# Altium PCB spd150.PcbDoc (part 3 of 16) (continued)
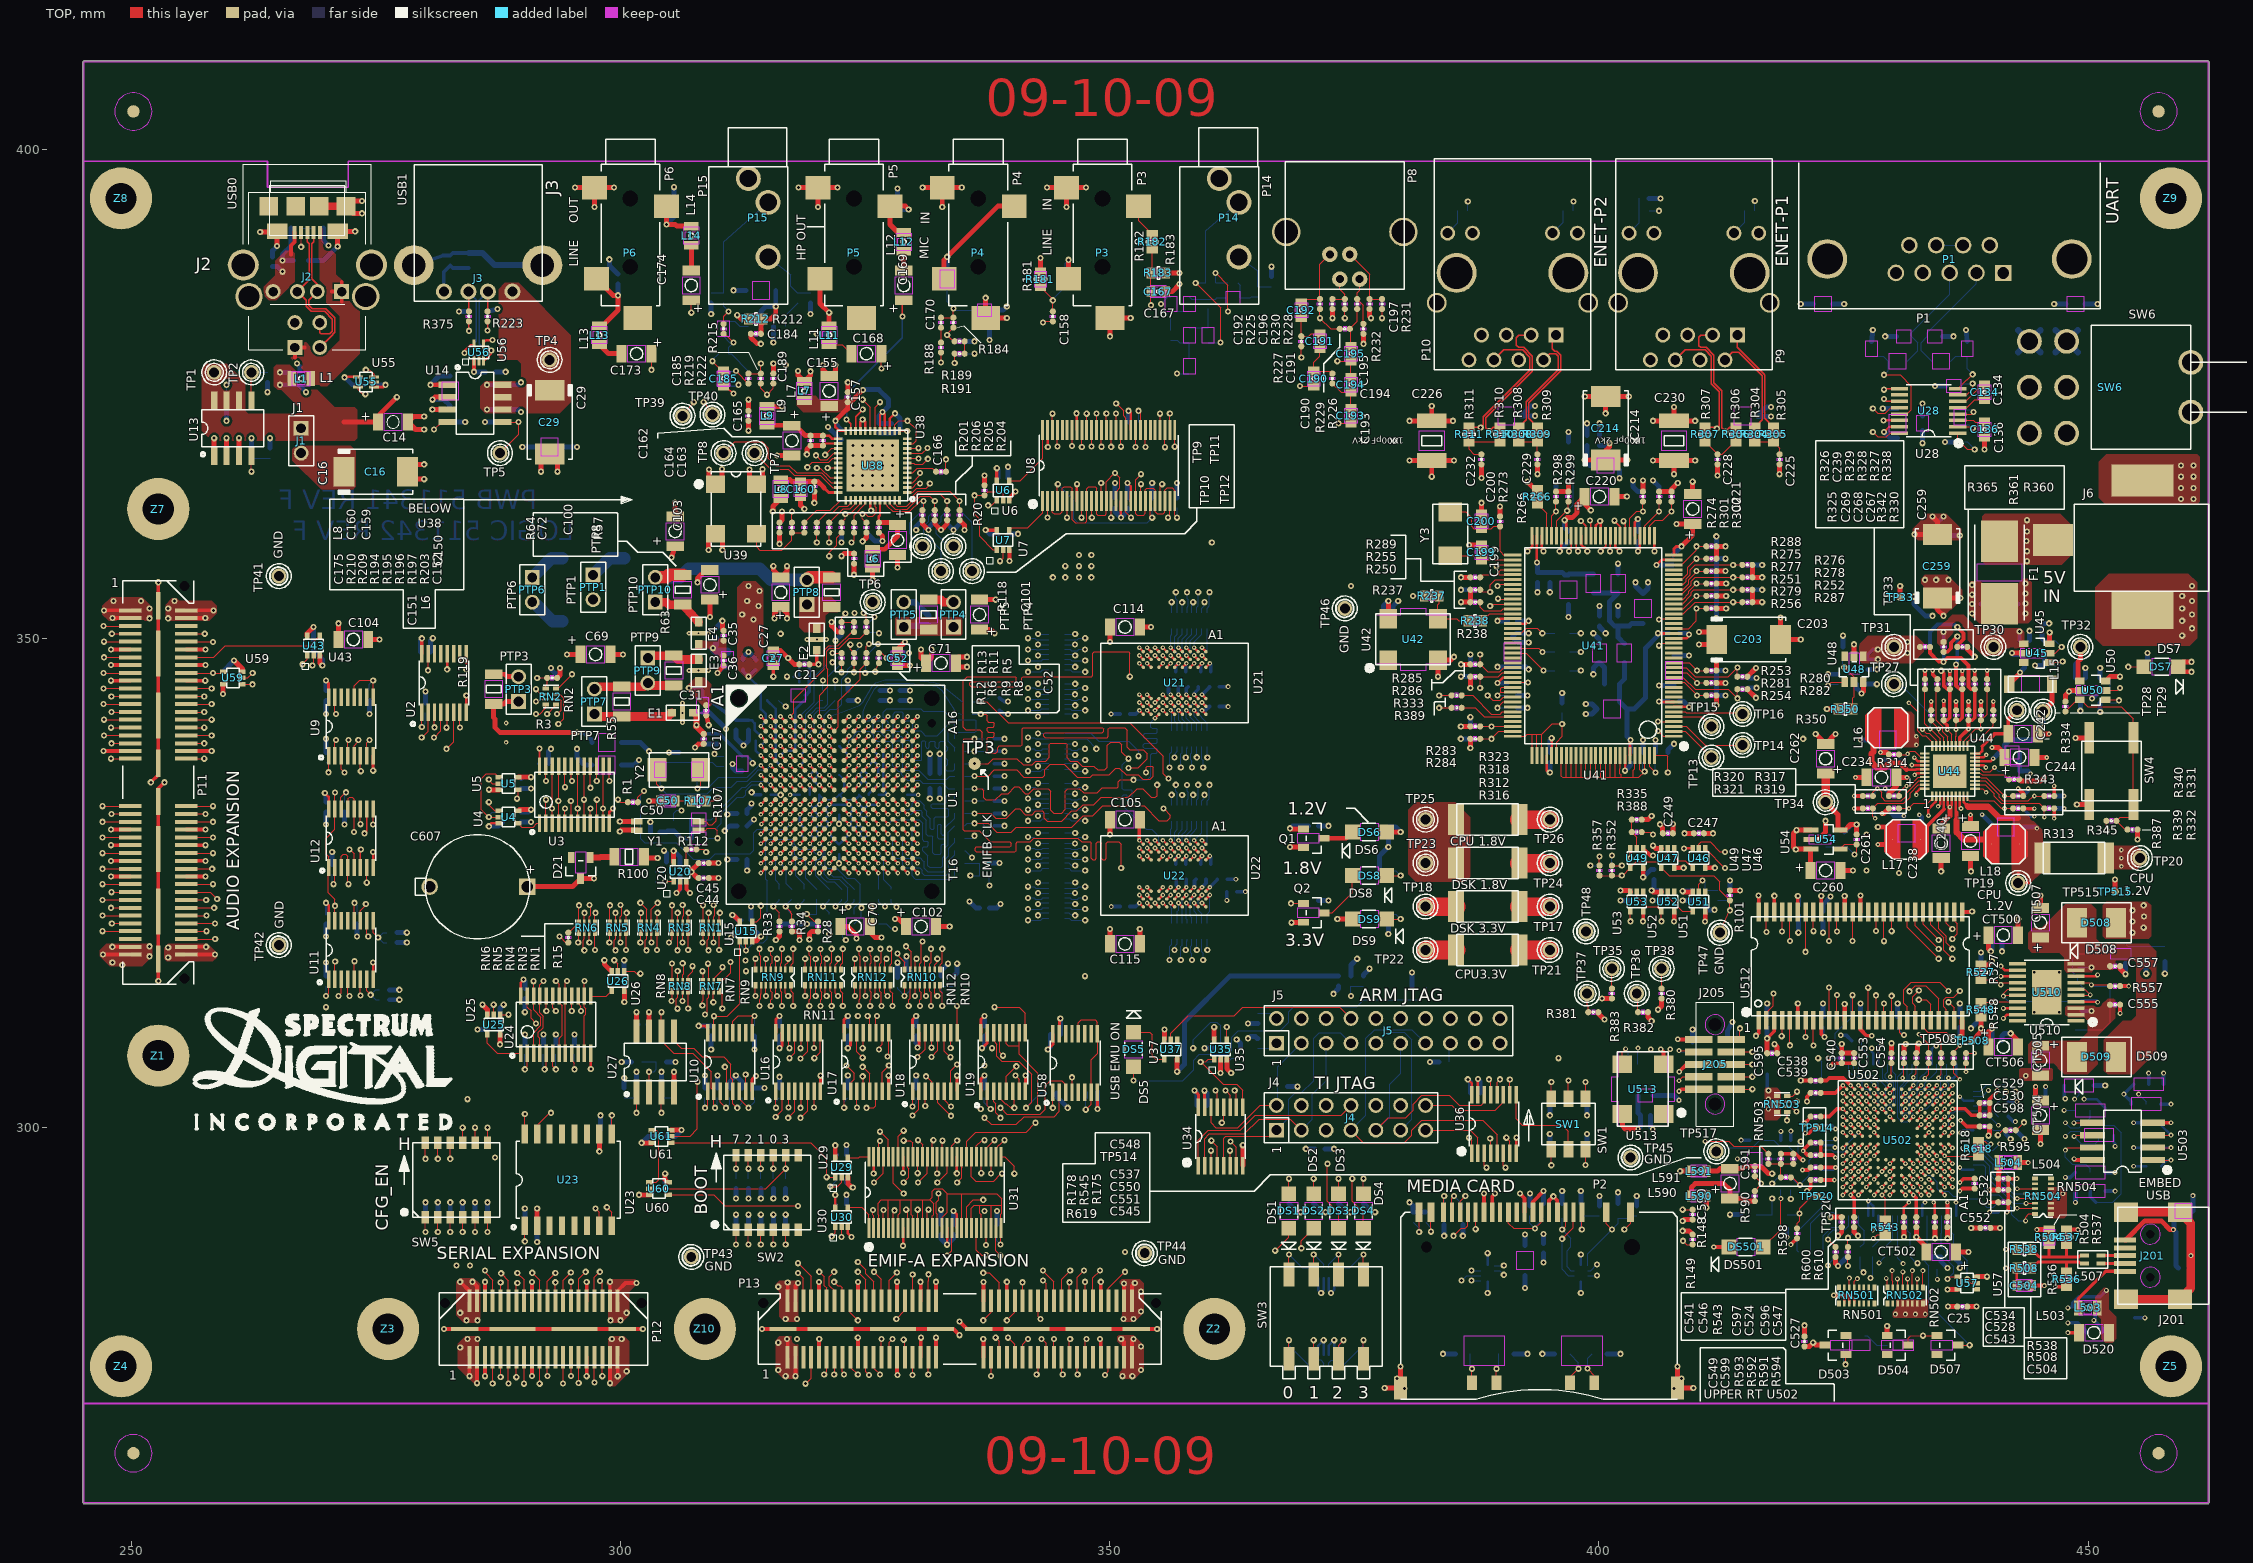
[diagram p0: TOP view]
## Nets (pads, with @x,y where several pads share a name; then routed paths per layer and width w, separated by ;. In a path a pad name is that pad's centre, name@x,y a point inside that pad or via, vN(x,y) a via of type N, cw(c..) or ccw(c..) an arc to the next point about the centre after c; other vN are vias at no path point) (continued)
A10: U502.N4 U512.34 | length 20.8
  TOP w0.127: U512.34@432.321,322.021 432.321,320.637 v1(434.721,318.237)
  TOP w0.254: U502.N4@433.332,303.106 v2(433.73,303.505)
  LYR4-SIG w0.102: v2(433.73,303.505) 434.137,303.911 434.137,304.495 433.934,304.698 433.934,305.537 434.213,305.816 434.213,306.578
  LYR4-SIG w0.127: 434.213,306.578 434.213,307.086 433.984,307.315 433.984,310.683 434.213,310.911 434.213,317.729 v1(434.721,318.237)
A11: U502.M2 U512.22 | length 12.3
  TOP w0.127: U512.22@433.121,310.947 433.121,310.261 433.629,309.753 435.483,309.753 v1(435.991,309.245)
  TOP w0.254: U502.M2@434.932,302.306 v2(435.331,302.704)
  LYR4-SIG w0.102: v2(435.331,302.704) 435.572,302.704 435.978,303.111 436.296,303.111 436.524,303.339 436.524,304.648 436.245,304.927 436.245,305.308 435.737,305.816 435.737,306.578
  LYR4-SIG w0.127: 435.737,306.578 435.737,308.991 v1(435.991,309.245)
A12: U502.P3 U512.35 | length 20.3
  TOP w0.127: U512.35@431.521,322.021 431.521,320.446 v1(434.721,317.246)
  TOP w0.254: U502.P3@434.132,303.906 v2(434.53,304.305)
  LYR4-SIG w0.102: v2(434.53,304.305) 434.53,304.483 434.213,304.8 434.213,305.308 434.95,306.045
  LYR4-SIG w0.127: v1(434.721,317.246) 434.467,316.992 434.467,310.896 434.95,310.413 434.95,306.045
A13: U502.N3 U512.20 | length 20.3
  TOP w0.127: U512.20@431.521,310.947 431.521,312.344 431.165,312.699 431.165,314.071 431.927,314.833 434.848,314.833 v1(435.737,313.944)
  TOP w0.254: U502.N3@434.132,303.106 v2(434.53,303.505)
  LYR4-SIG w0.102: v2(434.53,303.505) 434.937,303.911 434.937,304.47 435.12,304.653 435.12,305.58 435.229,305.689 435.229,306.578
  LYR4-SIG w0.127: 435.229,306.578 435.229,310.515 434.848,310.896 434.848,313.055 v1(435.737,313.944)
A14: U502.L7 U512.21 | length 17.4
  TOP w0.127: U512.21@432.321,310.947 432.321,312.407 432.054,312.674 432.054,313.36 v1(432.689,313.995)
  TOP w0.254: U502.L7@430.931,301.506 v2(431.33,301.904)
  LYR4-SIG w0.102: 430.657,306.578 430.657,305.758 430.403,305.504 430.403,302.832 v2(431.33,301.904)
  LYR4-SIG w0.127: 430.657,306.578 430.657,310.642 431.546,311.531 431.546,312.852 v1(432.689,313.995)
ACLKR0: RN2.1 U1.B4 | length 29.1
  TOP w0.127: v1(292.481,342.265) 293.383,343.167 RN2.1@293.383,343.22
  TOP w0.254: v2(317.325,341.015) U1.B4@317.825,340.515
  LYR3-SIG w0.102: 313.69,341.503 316.837,341.503 v2(317.325,341.015)
  LYR3-SIG w0.127: v1(292.481,342.265) 293.624,343.408 298.323,343.408 301.117,340.614 309.499,340.614 310.388,341.503 313.69,341.503
ACLKR1: RN5.3 U1.L2 | length 26.2
  TOP w0.127: RN5.3@299.471,320.942 v1(299.471,321.94)
  TOP w0.254: v2(315.323,331.008) U1.L2@315.824,331.508
  LYR3-SIG w0.102: 313.69,332.613 314.442,332.613 314.444,332.616 314.612,332.616 314.615,332.613 314.655,332.613 314.93,332.339 314.93,331.401 v2(315.323,331.008)
  LYR3-SIG w0.127: v1(299.471,321.94) 298.836,321.94 298.389,322.387 298.389,323.705 307.424,332.74 311.404,332.74 311.531,332.613 313.69,332.613
ACLKX0: RN2.3 U1.C5 | length 31
  TOP w0.127: RN2.3@293.383,344.292 293.756,344.292 294.157,343.891 294.157,341.782 v1(293.624,341.249)
  TOP w0.254: v2(318.325,340.015) U1.C5@318.826,339.514
  LYR3-SIG w0.102: 313.69,339.852 313.944,339.598 317.627,339.598 318.044,340.015 v2(318.325,340.015)
  LYR3-SIG w0.127: v1(293.624,341.249) 296.037,341.249 298.196,339.09 305.435,339.09 306.07,339.725 311.023,339.725 311.531,340.233 313.309,340.233 313.69,339.852
ACLKX1: RN6.3 U1.K3 | length 32.3
  TOP w0.127: RN6.3@296.296,320.942 v1(296.296,321.94)
  TOP w0.254: v2(316.324,332.008) U1.K3@316.824,332.509
  LYR3-SIG w0.102: 313.69,334.772 314.198,334.264 315.214,334.264 315.849,333.629 315.849,332.483 v2(316.324,332.008)
  LYR3-SIG w0.127: v1(296.296,321.94) 295.407,321.94 295.148,322.199 295.148,323.088 296.799,324.739 297.942,324.739 304.038,330.835 304.038,331.724 305.562,333.248 311.15,333.248 312.801,334.899 313.563,334.899 313.69,334.772
ADVFC: R247.2 R254.1 U41.12 | length 4.8
  TOP w0.127: U41.12@407.645,345.496 408.706,345.496 v1(410.032,344.17) R254.1@410.972,344.17
  BOTTOM w0.127: v1(410.032,344.17) R247.2@410.972,344.17
AFSR0: RN2.2 U1.C4 | length 27.8
  TOP w0.127: RN2.2@293.383,343.794 293.746,343.794 293.903,343.637 293.903,342.671 v1(293.497,342.265)
  TOP w0.254: v2(317.325,340.015) U1.C4@317.825,339.514
  LYR3-SIG w0.102: 313.69,340.474 316.865,340.474 v2(317.325,340.015)
  LYR3-SIG w0.127: v1(293.497,342.265) 295.656,342.265 297.688,340.233 311.023,340.233 311.277,340.487 313.677,340.487 313.69,340.474
AFSR1: RN5.2 U1.L3 | length 24.1
  TOP w0.127: RN5.2@299.969,320.942 299.969,321.559 300.101,321.691 300.101,322.613 v1(299.984,322.73)
  TOP w0.254: v2(316.324,331.008) U1.L3@316.824,331.508
  LYR3-SIG w0.102: 313.69,330.733 313.944,330.733 314.063,330.614 315.488,330.614 315.882,331.008 v2(316.324,331.008)
  LYR3-SIG w0.127: v1(299.984,322.73) 299.984,324.579 306.748,331.343 312.826,331.343 313.436,330.733 313.69,330.733
AFSX0: RN2.4 U1.D5 | length 34.1
  TOP w0.127: RN2.4@293.383,344.866 293.558,344.866 v1(295.021,346.329)
  TOP w0.254: v2(318.325,339.014) U1.D5@318.826,338.513
  LYR3-SIG w0.102: 313.69,342.138 314.071,342.519 319.532,342.519 319.786,342.265 319.786,339.852 319.532,339.598 319.151,339.598 318.567,339.014 v2(318.325,339.014)
  LYR3-SIG w0.127: v1(295.021,346.329) 297.688,346.329 302.133,341.884 313.436,341.884 313.69,342.138
AFSX1: RN6.2 U1.K4 | length 38.5
  TOP w0.127: RN6.2@296.794,320.942 296.794,321.559 296.926,321.691 296.926,322.613 v1(296.809,322.73)
  TOP w0.254: v2(317.325,332.008) U1.K4@317.825,332.509
  LYR3-SIG w0.102: 313.69,335.534 316.484,335.534 316.865,335.153 316.865,332.468 v2(317.325,332.008)
  LYR3-SIG w0.127: v1(296.809,322.73) 296.809,321.701 296.418,321.31 295.275,321.31 294.64,321.945 294.64,323.596 304.546,333.502 308.864,333.502 309.626,334.264 311.023,334.264 312.293,335.534 313.69,335.534
AHCLKR1: RN5.4 U1.L1 | length 24.6
  TOP w0.127: RN5.4@298.897,320.942 v1(298.897,322.707)
  TOP w0.254: v2(314.373,331.008) 314.373,331.059 U1.L1@314.823,331.508
  LYR3-SIG w0.102: 313.69,332.232 313.868,332.41 314.528,332.41 314.726,332.212 314.726,331.363 314.373,331.01 v2(314.373,331.008)
  LYR3-SIG w0.127: v1(298.897,322.707) 298.897,323.853 307.53,332.486 311.277,332.486 311.531,332.232 313.69,332.232
AHCLKR2: P11.40 U19.5 | length 102.4
  TOP w0.127: P11.40@255.6,337.693 v1(257.429,337.693) ; U19.5@339.415,303.718 339.415,305.227 v1(340.436,306.248)
  LYR3-SIG w0.127: v1(257.429,337.693) 266.7,337.693 268.732,335.661 275.209,335.661 293.624,317.246 297.434,317.246 299.715,314.965 303.121,314.965 303.126,314.96 311.005,314.96 311.01,314.965 334.343,314.965 340.436,308.872 v1(340.436,306.248)
AHCLKX1: R15.2 RN6.4 U1.K2 | length 29.9
  TOP w0.127: R15.2@294.64,319.913 294.693,319.913 RN6.4@295.722,320.942 v1(295.722,322.707)
  TOP w0.254: v2(315.323,332.008) U1.K2@315.824,332.509
  LYR3-SIG w0.102: 313.69,333.756 314.579,333.756 314.833,333.502 314.833,332.867 315.323,332.377 v2(315.323,332.008)
  LYR3-SIG w0.127: v1(295.722,322.707) 296.484,323.469 297.18,323.469 305.138,331.427 305.138,332.146 305.986,332.994 311.912,332.994 312.674,333.756 313.69,333.756
AIC3106_RESETN: R352.1 U38.33 | length 109.1
  TOP w0.127: v1(320.04,367.411) 320.421,367.411 321.417,366.415 U38.33@322.224,366.415 ; R352.1@401.32,326.771 v1(402.336,326.771)
  LYR3-SIG w0.127: v1(320.04,367.411) 323.088,364.363 328.168,364.363 329.438,363.093 340.106,363.093 344.551,367.538 356.108,367.538 357.886,365.76 357.886,364.368 387.101,335.153 397.129,335.153 402.336,329.946 v1(402.336,326.771)
AIC_BCLK: R194.2 U38.38 | length 4.6
  TOP w0.127: R194.2@320.04,361.823 321.056,362.839 321.691,362.839 322.364,363.512 323.228,363.512 323.505,363.789 U38.38@323.505,364.134
AIC_DIN: R196.2 R202.1 U38.40 | length 4.5
  TOP w0.127: R196.2@322.58,361.823 322.961,362.204 v1(322.961,362.712) 323.469,362.712 324.505,363.748 U38.40@324.505,364.134
  BOTTOM w0.127: R202.1@322.58,361.823 322.961,362.204 v1(322.961,362.712)
AIC_DOUT: R197.2 U38.41 | length 2.8
  TOP w0.127: R197.2@323.85,361.823 323.85,362.585 325.006,363.741 U38.41@325.006,364.134
AIC_WCLK: R195.2 U38.39 | length 3.9
  TOP w0.127: R195.2@321.31,361.823 322.745,363.258 323.472,363.258 324.005,363.791 U38.39@324.005,364.134
ALT_3V3: C246.1 C247.1 C249.1 C250.1 C251.1 C253.1 C255.1 C256.1 C257.1 L15.1 R325.1 R326.1 R327.1 R328.1 R329.1 R335.1 R346.2 R349.2 R353.2 U45.6 U46.5 U47.5 U48.6 U49.5 U50.6 U51.5 U52.5 U53.5 | length 29.7
  TOP w0.381: v1(404.51,321.071) U53.5@404.51,322.097 ; R326.1@433.324,345.821 v2(433.324,346.71) ; R325.1@433.959,342.646 v2(433.959,343.535) ; R329.1@435.864,345.821 v2(435.864,346.685) ; R328.1@437.134,345.821 v2(437.134,346.685) ; R327.1@438.404,345.821 v2(438.404,346.71)
  TOP w0.457: U49.5@404.51,326.542 404.51,325.587 v1(404.52,325.577) ; v1(407.67,321.056) 407.685,321.071 U52.5@407.685,322.097 ; U47.5@407.685,326.542 v1(408.661,326.542) ; v1(410.845,321.056) 410.86,321.071 U51.5@410.86,322.097 ; U46.5@410.86,326.542 v1(411.836,326.542)
  TOP w0.508: R335.1@404.368,331.47 405.003,331.47 v1(405.384,331.851) ; C249.1@407.543,330.073 v1(407.543,331.013) ; C247.1@410.718,330.073 v1(411.658,330.073) ; v1(426.847,344.373) 427.025,344.551 U48.6@427.025,345.531 ; L15.1@441.935,345.313 443.027,346.405 v1(443.027,346.507) ; U45.6@446.075,349.438 v1(446.075,350.596) ; U50.6@451.79,345.628 452.237,346.075 v1(453.263,346.075)
  BOTTOM w0.508: v1(402.209,323.215) C255.1@403.225,323.215 ; v1(404.52,325.577) 405.333,326.39 C251.1@405.638,326.39 ; v1(405.46,323.215) C257.1@406.4,323.215 ; v1(408.559,323.215) C256.1@409.575,323.215 ; C250.1@426.339,345.313 426.339,344.881 v1(426.847,344.373) ; R349.2@427.482,346.837 v1(428.422,346.837) ; v1(443.027,346.507) 443.484,346.964 C246.1@443.484,347.345 ; R346.2@443.992,349.758 v1(443.992,350.774) ; v1(449.199,342.595) C253.1@449.199,343.535 ; R353.2@449.707,345.948 v1(449.707,346.964)
ALT_CPU_1V2: C261.1 C262.1 PTP3.2 PTP4.2 R118.2 R119.1 R372.1 TP34.1 U54.5 | length 31.8
  TOP w0.508: R119.1@287.02,346.329 288.163,346.329 288.417,346.075 PTP3.2@289.56,346.075 ; TP34.1@423.164,333.248 424.434,331.978 424.434,330.617 U54.5@424.663,330.388 425.13,330.388 425.704,330.962 v1(426.339,330.962) C261.1@426.339,329.946
  TOP w0.889: R118.2@331.47,353.949 332.74,353.949 332.994,353.695 PTP4.2@334.01,353.695 ; TP34.1@423.164,333.248 C262.1@423.164,336.169
  LYR4-SIG w0.889: v1(420.878,339.725) 420.878,335.534 TP34.1@423.164,333.248
  LYR7-SIG w0.635: 288.544,346.075 PTP3.2@289.56,346.075 ; 289.56,345.059 PTP3.2@289.56,346.075 ; 289.56,347.091 PTP3.2@289.56,346.075 ; 290.576,346.075 PTP3.2@289.56,346.075 ; 332.994,353.695 PTP4.2@334.01,353.695 ; 334.01,352.679 PTP4.2@334.01,353.695 ; 334.01,354.711 PTP4.2@334.01,353.695 ; 335.026,353.695 PTP4.2@334.01,353.695
  BOTTOM w0.508: R372.1@425.069,330.2 425.831,330.962 v1(426.339,330.962)
AMUTE0: R1.2 U1.L4 | length 25.8
  TOP w0.127: R1.2@301.752,333.248 301.752,333.756 v1(302.387,334.391)
  TOP w0.254: v2(317.325,331.008) U1.L4@317.825,331.508
  BOTTOM w0.102: 313.69,330.225 313.964,330.5 316.817,330.5 v2(317.325,331.008)
  BOTTOM w0.127: v1(302.387,334.391) 302.052,334.056 302.052,329.527 302.468,329.11 305.686,329.11 307.396,327.401 309.1,327.401 309.677,327.977 313.23,327.977 313.586,328.333 313.586,330.121 313.69,330.225
AMUTE1: RN6.1 U1.D4 | length 45.4
  TOP w0.127: RN6.1@297.368,320.942 297.368,321.879 v1(297.434,321.945)
  TOP w0.254: v2(317.325,339.014) U1.D4@317.825,338.513
  LYR3-SIG w0.102: 313.69,336.677 313.944,336.677 314.002,336.619 316.553,336.619 316.865,336.931 316.865,338.582 317.297,339.014 v2(317.325,339.014)
  LYR3-SIG w0.127: v1(297.434,321.945) 297.434,321.437 294.894,318.897 293.624,318.897 293.243,319.278 293.243,325.374 300.355,332.486 300.355,334.01 302.641,336.296 311.658,336.296 312.039,336.677 313.69,336.677
ARM_RSTN: J5.15 R179.1 U46.1 | length 48.1
  TOP w0.127: U46.1@410.86,328.524 410.87,328.524 v1(412.877,326.517)
  LYR7-SIG w0.127: J5.15@384.81,308.61 386.207,310.007 398.018,310.007 402.844,314.833 410.464,314.833 415.29,319.659 415.29,324.739 413.512,326.517 v1(412.877,326.517)
  BOTTOM w0.127: R179.1@384.683,306.705 384.683,308.483 J5.15@384.81,308.61
AXR0_9: R30.2 U9.4 | length 60.9
  TOP w0.127: U9.4@272.09,338.008 272.09,339.527 v1(272.161,339.598)
  LYR3-SIG w0.127: v1(272.161,339.598) 272.796,338.963 275.463,338.963 284.226,347.726 297.815,347.726 298.577,346.964 303.911,346.964 306.959,350.012 309.88,350.012 310.515,349.377 317.627,349.377 319.405,347.599 319.405,346.202 320.421,345.186 321.437,345.186 v1(321.945,345.694)
  BOTTOM w0.127: R30.2@321.945,344.678 v1(321.945,345.694)
AXR0_10: R29.2 U9.7 | length 57.9
  TOP w0.127: U9.7@274.041,338.008 274.041,339.319 v1(274.32,339.598)
  LYR3-SIG w0.127: v1(274.32,339.598) 281.178,346.456 281.178,347.218 283.21,349.25 304.546,349.25 306.324,351.028 309.372,351.028 310.642,349.758 317.881,349.758 318.389,349.25 319.405,349.25 320.802,347.853 320.802,346.837 320.675,346.71 v1(320.675,345.694)
  BOTTOM w0.127: R29.2@320.675,344.678 v1(320.675,345.694)
AXR1[0]: RN1.4 U1.T3 | length 14.1
  TOP w0.127: RN1.4@308.422,320.942 v1(308.422,322.707)
  TOP w0.254: v2(316.324,326.004) U1.T3@316.824,326.504
  LYR3-SIG w0.102: 315.821,325.501 v2(316.324,326.004)
  LYR3-SIG w0.127: v1(308.422,322.707) 308.422,321.795 309.288,320.929 310.566,320.929 310.845,321.208 311.81,321.208 312.42,321.818 312.42,322.453 314.833,324.866 315.186,324.866 315.821,325.501
AXR1[1]: RN1.3 U1.R2 | length 13.5
  TOP w0.127: RN1.3@308.996,320.942 v1(308.996,321.94)
  TOP w0.254: v2(315.323,327.005) U1.R2@315.824,327.505
  LYR3-SIG w0.102: 314.579,325.501 314.833,325.755 314.833,326.136 315.323,326.626 v2(315.323,327.005)
  LYR3-SIG w0.127: v1(308.996,321.94) 309.753,321.183 310.452,321.183 310.896,321.627 310.896,323.215 310.642,323.469 310.642,324.648 311.513,325.519 312.55,325.519 312.567,325.501 312.669,325.501 312.796,325.374 314.452,325.374 314.579,325.501
AXR1[2]: RN1.2 U1.P2 | length 15
  TOP w0.127: RN1.2@309.494,320.942 309.494,321.559 309.626,321.691 309.626,322.613 v1(309.509,322.73)
  TOP w0.254: v2(315.323,328.005) U1.P2@315.824,328.506
  LYR3-SIG w0.102: 313.69,326.072 314.135,326.517 314.394,326.517 314.833,326.956 314.833,327.515 v2(315.323,328.005)
  LYR3-SIG w0.127: v1(309.509,322.73) 309.509,321.851 309.923,321.437 310.345,321.437 310.642,321.734 310.642,323.088 310.261,323.469 310.261,324.739 311.531,326.009 312.42,326.009 312.674,325.755 313.373,325.755 313.69,326.072
AXR1[3]: RN1.1 U1.P1 | length 12
  TOP w0.127: RN1.1@310.068,320.942 310.068,321.879 v1(310.134,321.945)
  TOP w0.254: v2(314.322,328.005) U1.P1@314.823,328.506
  LYR3-SIG w0.102: 313.69,327.279 314.322,327.911 v2(314.322,328.005)
  LYR3-SIG w0.127: v1(310.134,321.945) 310.134,322.961 309.118,323.977 309.118,325.501 309.626,326.009 311.15,326.009 311.912,326.771 313.182,326.771 313.69,327.279
AXR1[4]: RN3.4 U1.N2 | length 19.1
  TOP w0.127: RN3.4@305.247,320.942 v1(305.247,322.707)
  TOP w0.254: v2(315.323,329.006) U1.N2@315.824,329.507
  LYR3-SIG w0.102: 313.69,328.32 313.982,328.613 314.93,328.613 v2(315.323,329.006)
  LYR3-SIG w0.127: v1(305.247,322.707) 305.247,321.795 305.859,321.183 307.276,321.183 307.721,321.627 307.721,322.262 307.66,322.323 307.66,323.068 308.483,323.891 308.483,325.806 309.194,326.517 310.769,326.517 311.594,327.342 312.864,327.342 313.665,328.143 313.665,328.295 313.69,328.32
AXR1[5]: RN3.3 U1.N1 | length 16.1
  TOP w0.127: RN3.3@305.821,320.942 v1(305.821,321.94)
  TOP w0.254: v2(314.322,329.006) U1.N1@314.823,329.507
  LYR3-SIG w0.102: 313.69,328.701 313.995,329.006 v2(314.322,329.006)
  LYR3-SIG w0.127: v1(305.821,321.94) 306.324,321.437 307.17,321.437 307.467,321.734 307.467,322.156 307.406,322.217 307.406,323.174 308.102,323.87 308.102,326.009 310.208,328.115 310.97,328.115 311.412,327.673 312.661,327.673 313.69,328.701
AXR1[6]: RN3.2 U1.M4 | length 19.9
  TOP w0.127: RN3.2@306.319,320.942 306.319,321.559 306.451,321.691 306.451,322.613 v1(306.334,322.73)
  TOP w0.254: v2(317.325,330.007) U1.M4@317.825,330.507
  LYR3-SIG w0.102: 313.69,329.613 315.488,329.613 315.717,329.842 315.717,329.959 316.159,330.401 316.931,330.401 v2(317.325,330.007)
  LYR3-SIG w0.127: v1(306.334,322.73) 306.334,326.527 308.673,328.866 309.943,328.866 311.531,330.454 312.572,330.454 313.413,329.613 313.69,329.613
AXR1[7]: RN3.1 U1.M3 | length 16.8
  TOP w0.127: RN3.1@306.893,320.942 306.893,321.879 v1(306.959,321.945)
  TOP w0.254: v2(316.324,330.007) U1.M3@316.824,330.507
  LYR3-SIG w0.102: 313.69,329.128 313.972,329.41 315.727,329.41 v2(316.324,330.007)
  LYR3-SIG w0.127: v1(306.959,321.945) 306.959,323.088 307.721,323.85 307.721,326.136 310.007,328.422 311.023,328.422 311.424,328.021 312.583,328.021 313.69,329.128
AXR1[8]: RN4.4 U1.M2 | length 20.9
  TOP w0.127: RN4.4@302.072,320.942 v1(302.072,321.945)
  TOP w0.254: v2(315.323,330.007) U1.M2@315.824,330.507
  LYR3-SIG w0.102: 313.69,330.411 314.919,330.411 v2(315.323,330.007)
  LYR3-SIG w0.127: v1(302.072,321.945) 301.498,322.519 301.498,323.469 309.118,331.089 312.699,331.089 313.378,330.411 313.69,330.411
AXR1[9]: RN4.3 U1.M1 | length 19.1
  TOP w0.127: v1(302.006,322.961) 302.646,322.321 RN4.3@302.646,320.942
  TOP w0.254: v2(314.322,330.007) U1.M1@314.823,330.507
  LYR3-SIG w0.102: 313.69,330.007 v2(314.322,330.007)
  LYR3-SIG w0.127: v1(302.006,322.961) 302.009,322.964 302.009,323.352 309.491,330.835 312.572,330.835 313.4,330.007 313.69,330.007
AXR1[10]: RN4.2 U1.N3 | length 21.9
  TOP w0.127: RN4.2@303.144,320.942 303.144,322.321 v1(303.784,322.961)
  TOP w0.254: v2(316.324,329.006) U1.N3@316.824,329.507
  LYR3-SIG w0.102: 313.69,327.787 313.919,328.016 313.919,328.168 314.16,328.409 315.727,328.409 v2(316.324,329.006)
  LYR3-SIG w0.127: v1(303.784,322.961) 304.863,321.881 304.863,321.818 305.752,320.929 307.383,320.929 307.975,321.521 307.975,322.369 307.914,322.43 307.914,322.918 308.755,323.759 308.755,325.717 309.301,326.263 310.896,326.263 311.721,327.089 312.991,327.089 313.69,327.787
AXR1[11]: RN4.1 U1.T4 | length 18.6
  TOP w0.127: RN4.1@303.718,320.942 303.718,321.879 v1(303.784,321.945)
  TOP w0.254: v2(317.325,326.004) U1.T4@317.825,326.504
  LYR3-SIG w0.102: 316.822,325.501 v2(317.325,326.004)
  LYR3-SIG w0.127: v1(303.784,321.945) 305.054,320.675 310.693,320.675 310.972,320.954 312.699,320.954 313.817,322.072 313.817,323.088 314.325,323.596 314.917,323.596 316.822,325.501
B_RMII_CRS_DV: R241.1 U8.43 | length 64
  TOP w0.127: U8.43@349.636,371.297 v1(349.636,372.994)
  LYR3-SIG w0.127: v1(349.636,372.994) 349.636,373.893 350.266,374.523 369.824,374.523 383.667,360.68 388.747,360.68 392.43,356.997 394.335,356.997 398.145,353.187 v1(398.145,350.52)
  BOTTOM w0.127: R241.1@397.002,350.52 v1(398.145,350.52)
B_RMII_MDIO_CLK: U8.30 U41.94 | length 58.4
  TOP w0.127: U8.30@356.133,371.297 v1(356.133,372.974) ; v1(388.62,344.17) 389.128,343.662 389.89,343.662 390.223,343.995 U41.94@391.185,343.995
  LYR3-SIG w0.127: v1(356.133,372.974) 357.124,371.983 368.554,371.983 383.413,357.124 385.953,357.124 386.969,356.108 389.89,356.108 390.652,355.346 390.652,349.611 388.62,347.579 v1(388.62,344.17)
B_RMII_MDIO_D: R236.2 U8.32 U41.95 | length 62
  TOP w0.127: U8.32@355.133,371.297 v1(355.133,372.958) ; v1(389.636,342.9) 390.23,343.494 U41.95@391.185,343.494
  LYR3-SIG w0.127: v1(355.133,372.958) 355.808,373.634 356.87,373.634 357.53,372.974 369.214,372.974 383.794,358.394 386.588,358.394 388.112,356.87 390.144,356.87 391.541,355.473 391.541,344.805 v1(389.636,342.9)
  BOTTOM w0.127: v1(389.636,342.9) R236.2@390.652,342.9
B_RMII_MHZ_50: R237.1 U8.54 | length 47.4
  TOP w0.127: U8.54@344.137,371.297 v1(344.137,372.966) ; v1(381,354.33) R237.1@382.143,354.33
  LYR3-SIG w0.127: v1(344.137,372.966) 344.203,372.966 346.964,370.205 365.125,370.205 v1(381,354.33)
B_RMII_RXD[0]: R242.1 U8.41 | length 63.7
  TOP w0.127: U8.41@350.634,371.297 v1(350.634,372.986)
  LYR3-SIG w0.127: v1(350.634,372.986) 351.536,373.888 369.189,373.888 384.175,358.902 388.874,358.902 392.684,355.092 392.684,354.838 394.868,352.654 394.868,349.987 v1(398.145,346.71)
  BOTTOM w0.127: R242.1@397.002,346.71 v1(398.145,346.71)
B_RMII_RXD[1]: R243.1 U8.39 | length 64.6
  TOP w0.127: v1(350.647,374.015) 351.409,373.253 351.409,372.745 351.635,372.519 U8.39@351.635,371.297
  LYR3-SIG w0.127: v1(350.647,374.015) 350.774,374.142 369.57,374.142 383.54,360.172 388.62,360.172 392.176,356.616 393.954,356.616 396.278,354.292 396.278,350.482 v1(398.145,348.615)
  BOTTOM w0.127: R243.1@397.002,348.615 v1(398.145,348.615)
B_RMII_RXER: R22.1 U8.36 | length 3.2
  TOP w0.127: v1(352.933,373.253) 353.134,373.052 U8.36@353.134,371.297
  BOTTOM w0.127: R22.1@352.933,372.11 v1(352.933,373.253)
B_RMII_TXD[0]: U8.50 U41.75 | length 53.7
  TOP w0.127: v1(346.126,369.646) 346.136,369.656 U8.50@346.136,371.297 ; v1(388.874,353.314) 389.065,353.505 U41.75@391.185,353.505
  LYR3-SIG w0.127: v1(346.126,369.646) 346.126,369.519 346.837,368.808 365.379,368.808 381,353.187 388.747,353.187 v1(388.874,353.314)
B_RMII_TXD[1]: U8.47 U41.74 | length 53.3
  TOP w0.127: U8.47@347.635,371.297 v1(347.635,372.963) ; v1(389.666,354.056) 389.717,354.005 U41.74@391.185,354.005
  LYR3-SIG w0.127: v1(347.635,372.963) 349.885,370.713 367.538,370.713 384.048,354.203 387.604,354.203 387.985,353.822 389.433,353.822 v1(389.666,354.056)
B_RMII_TXEN: U8.45 U41.71 | length 53
  TOP w0.127: U8.45@348.635,371.297 v1(348.635,372.979) ; v1(389.636,355.346) 389.796,355.506 U41.71@391.185,355.506
  LYR3-SIG w0.127: v1(348.635,372.979) 350.393,371.221 367.919,371.221 384.683,354.457 387.711,354.457 388.092,354.076 388.95,354.076 389.636,354.762 v1(389.636,355.346)
BE0: U502.J4 U512.15 | length 21.7
  TOP w0.127: U512.15@427.52,310.947 v1(427.52,314.287)
  TOP w0.254: U502.J4@433.332,299.905 v2(433.73,300.304)
  LYR8-SIG w0.102: 430.53,306.197 430.53,301.346 431.178,300.698 433.337,300.698 v2(433.73,300.304)
  LYR8-SIG w0.127: v1(427.52,314.287) 427.52,313.271 429.349,311.442 429.349,307.378 430.53,306.197
BE1: U502.K2 U512.39 | length 25
  TOP w0.127: v1(428.32,320.091) U512.39@428.32,322.021
  TOP w0.254: U502.K2@434.932,300.706 v2(435.331,301.104)
  LYR8-SIG w0.102: 434.721,306.578 435.089,306.21 435.089,304.914 434.937,304.762 434.937,301.498 v2(435.331,301.104)
  LYR8-SIG w0.127: v1(428.32,320.091) 429.082,320.091 433.832,315.341 433.832,307.467 434.721,306.578
BOOT_DISABLE: U5.2 U6.1 U26.2 U29.1 U52.4 U53.2 U61.1 | length 288.1
  TOP w0.127: v1(286.512,335.559) 286.512,335.534 286.893,335.153 U5.2@287.553,335.153 ; v1(299.339,317.094) 299.339,317.119 299.72,316.738 U26.2@299.72,315.951 ; U61.1@305.156,298.435 319.42,298.435 321.056,296.799 v1(321.056,294.919) U29.1@321.93,294.919 ; v1(337.566,363.601) 337.906,363.601 U6.1@338.44,364.134 ; U53.2@403.86,324.079 403.86,323.596 404.876,322.58 405.902,322.58 U52.4@406.385,322.097 v1(406.385,321.071)
  LYR3-SIG w0.127: v1(299.339,317.094) 300.203,316.23 302.217,316.23 303.233,315.214 310.899,315.214 v1(312.76,317.076)
  LYR4-SIG w0.127: v1(286.512,335.559) 286.741,335.559 288.798,333.502 288.798,323.024 295.402,316.421 298.666,316.421 v1(299.339,317.094) ; v1(312.76,317.076) 312.674,317.162 312.674,317.246 312.293,317.627 312.293,319.786 310.769,321.31 310.769,322.834 308.737,324.866 307.467,324.866 306.451,325.882 303.784,325.882 300.99,328.676 300.99,337.566 305.689,342.265 305.689,343.789 306.324,344.424 306.324,345.313 307.467,346.456 307.467,347.091 308.102,347.726 314.579,347.726 318.834,351.981 319.341,351.981 322.961,355.6 322.961,356.362 323.85,357.251 325.247,357.251 330.581,362.585 336.55,362.585 v1(337.566,363.601)
  LYR7-SIG w0.127: v1(312.76,317.076) 312.844,316.992 312.928,316.992 315.341,314.579 323.977,314.579 324.485,314.071 324.485,313.055 324.866,312.674 324.866,312.039 324.739,311.912 324.739,309.118 324.231,308.61 324.231,304.927 325.247,303.911 336.931,303.911 340.106,307.086 340.106,309.372 347.345,316.611 353.314,316.611 354.838,315.087 395.986,315.087 399.923,319.024 404.368,319.024 406.385,321.041 v1(406.385,321.071)
  LYR8-SIG w0.127: v1(312.76,317.076) 312.844,316.992 312.928,316.992 313.563,316.357 313.563,314.452 313.055,313.944 313.055,312.801 314.833,311.023 315.087,311.023 317.754,308.356 317.754,305.181 320.548,302.387 320.548,295.427 v1(321.056,294.919)
BOOT_DISABLEN: TP48.1 U2.15 U4.1 U7.2 U9.15 U10.15 U11.15 U12.1 U12.15 U15.1 U25.1 U30.2 U43.1 U53.4 | length 341.6
  TOP w0.127: v1(267.462,347.345) 267.955,347.838 U43.1@267.955,348.259 ; U11.15@270.789,321.122 v1(270.789,322.656) 270.789,323.317 270.129,323.977 270.129,326.568 U12.1@270.139,326.578 270.139,327.66 269.875,327.924 269.875,329.565 270.789,330.479 U12.15@270.789,332.552 v1(270.789,334.239) ; U9.15@270.789,343.982 270.789,342.367 v1(270.891,342.265) ; v1(280.314,346.735) U2.15@280.314,348.427 ; v1(286.512,333.248) 286.512,332.994 287.132,332.374 U4.1@287.553,332.374 ; U25.1@287.67,311.506 288.519,311.506 v1(288.544,311.531) ; U10.15@309.524,309.692 309.524,311.353 v1(309.55,311.379) 310.871,311.379 312.151,312.659 U15.1@312.151,319.049 ; v1(322.58,288.798) U30.2@322.58,289.839 ; v1(338.785,357.886) 339.09,358.191 U7.2@339.09,359.054 ; v1(403.21,321.071) U53.4@403.21,322.097
  LYR3-SIG w0.127: v1(267.462,347.345) 267.462,345.694 v1(270.891,342.265) 272.415,343.789 274.447,343.789 277.393,346.735 v1(280.314,346.735) ; v1(270.789,322.656) 271.399,322.047 271.399,316.738 272.796,315.341 277.749,315.341 281.559,311.531 v1(288.544,311.531) ; v1(324.231,311.404) 324.866,312.039 324.866,312.547 325.628,313.309 325.628,313.69 325.976,314.038 327.843,314.038 328.422,313.459 328.422,312.293 331.47,309.245 336.804,309.245 v1(337.947,308.102)
  LYR4-SIG w0.127: v1(270.789,334.239) 269.621,335.407 269.621,338.201 270.383,338.963 270.383,341.757 v1(270.891,342.265) ; v1(280.314,346.735) 277.685,344.106 277.685,340.296 284.734,333.248 v1(286.512,333.248) ; v1(322.58,288.798) 322.58,300.101 323.469,300.99 323.469,302.641 324.231,303.403 v1(324.231,311.404)
  LYR7-SIG w0.127: v1(286.512,333.248) 285.496,334.264 285.496,344.17 285.115,344.551 285.115,347.726 284.607,348.234 284.607,358.394 288.163,361.95 299.339,361.95 302.26,359.029 306.705,359.029 307.467,358.267 320.294,358.267 320.802,357.759 328.676,357.759 330.581,355.854 337.185,355.854 338.785,357.454 v1(338.785,357.886) ; v1(288.544,311.531) 288.798,311.277 291.846,311.277 292.481,310.642 307.213,310.642 307.594,311.023 308.981,311.023 309.336,311.379 v1(309.55,311.379) 312.445,311.379 313.182,310.642 323.469,310.642 v1(324.231,311.404) ; v1(337.947,308.102) 348.742,318.897 379.857,318.897 380.365,319.405 398.018,319.405 TP48.1@398.653,320.04 402.179,320.04 v1(403.21,321.071)
BOOTMODE[0]: R130.1 RN7.7 SW2.9 U24.4 U24.21 | length 59.7
  TOP w0.127: U24.4@291.744,307.594 291.744,309.136 291.592,309.288 291.592,309.71 292.1,310.218 292.1,311.384 291.744,311.739 U24.21@291.744,313.436 291.744,314.604 v1(292.1,314.96) ; v1(309.461,312.801) 309.461,313.898 RN7.7@309.494,313.931 ; v1(315.595,295.783) SW2.9@315.595,297.18
  LYR3-SIG w0.127: v1(309.461,312.801) 308.991,312.801 308.737,313.055 308.221,313.055 307.721,312.555 307.721,311.15 307.213,310.642 307.213,302.684 312.209,297.688 313.69,297.688 v1(315.595,295.783)
  LYR8-SIG w0.127: v1(292.1,314.96) 294.005,313.055 296.926,313.055 300.355,309.626 309.626,309.626 311.023,311.023 311.023,312.42 310.642,312.801 v1(309.461,312.801)
  BOTTOM w0.127: R130.1@315.595,294.767 v1(315.595,295.783)

## Text inside footprints (layer, text, board x,y; h text height)
R282: PIN_NUMBER "1" at 413.944,344.805 h0.51; PIN_NUMBER "2" at 414.96,344.805 h0.51; ASSEMBLY_TOP "NO-POP" at 414.655,344.805 h0.64; ASSEMBLY_TOP "TOLERANCE" at 414.655,342.265 h0.64; ASSEMBLY_TOP "USERPART#" at 414.655,340.995 h0.64; SYMBOL_PART_DIM "PAD 35X32 OV" at 411.531,340.03 h0.64; SYMBOL_PART_DIM "C402-35X32" at 411.531,341.3 h0.64; SYMBOL_PART_DIM "0" at 414.452,342.671 h0.64; SYMBOL_PART_DIM "0" at 412.318,344.475 h0.64
R283: PIN_NUMBER "1" at 387.655,340.995 h0.51 r180; PIN_NUMBER "2" at 386.639,340.995 h0.51 r180; ASSEMBLY_TOP "2K" at 387.35,340.995 h0.64 r180; ASSEMBLY_TOP "TOLERANCE" at 387.35,343.535 h0.64 r180; ASSEMBLY_TOP "USERPART#" at 387.35,344.805 h0.64 r180; SYMBOL_PART_DIM "PAD 35X32 OV" at 390.474,345.77 h0.64 r180; SYMBOL_PART_DIM "C402-35X32" at 390.474,344.5 h0.64 r180; SYMBOL_PART_DIM "0" at 387.553,343.129 h0.64 r180; SYMBOL_PART_DIM "0" at 389.687,341.325 h0.64 r180
R284: PIN_NUMBER "1" at 387.655,339.725 h0.51 r180; PIN_NUMBER "2" at 386.639,339.725 h0.51 r180; ASSEMBLY_TOP "NO-POP" at 387.35,339.725 h0.64 r180; ASSEMBLY_TOP "TOLERANCE" at 387.35,342.265 h0.64 r180; ASSEMBLY_TOP "USERPART#" at 387.35,343.535 h0.64 r180; SYMBOL_PART_DIM "PAD 35X32 OV" at 390.474,344.5 h0.64 r180; SYMBOL_PART_DIM "C402-35X32" at 390.474,343.23 h0.64 r180; SYMBOL_PART_DIM "0" at 387.553,341.859 h0.64 r180; SYMBOL_PART_DIM "0" at 389.687,340.055 h0.64 r180
R285: PIN_NUMBER "1" at 387.655,347.345 h0.51 r180; PIN_NUMBER "2" at 386.639,347.345 h0.51 r180; ASSEMBLY_TOP "NO-POP" at 387.35,347.345 h0.64 r180; ASSEMBLY_TOP "TOLERANCE" at 387.35,349.885 h0.64 r180; ASSEMBLY_TOP "USERPART#" at 387.35,351.155 h0.64 r180; SYMBOL_PART_DIM "PAD 35X32 OV" at 390.474,352.12 h0.64 r180; SYMBOL_PART_DIM "C402-35X32" at 390.474,350.85 h0.64 r180; SYMBOL_PART_DIM "0" at 387.553,349.479 h0.64 r180; SYMBOL_PART_DIM "0" at 389.687,347.675 h0.64 r180
R286: PIN_NUMBER "1" at 387.655,346.075 h0.51 r180; PIN_NUMBER "2" at 386.639,346.075 h0.51 r180; ASSEMBLY_TOP "2K" at 387.35,346.075 h0.64 r180; ASSEMBLY_TOP "TOLERANCE" at 387.35,348.615 h0.64 r180; ASSEMBLY_TOP "USERPART#" at 387.35,349.885 h0.64 r180; SYMBOL_PART_DIM "PAD 35X32 OV" at 390.474,350.85 h0.64 r180; SYMBOL_PART_DIM "C402-35X32" at 390.474,349.58 h0.64 r180; SYMBOL_PART_DIM "0" at 387.553,348.209 h0.64 r180; SYMBOL_PART_DIM "0" at 389.687,346.405 h0.64 r180
R287: PIN_NUMBER "1" at 414.452,353.695 h0.51; PIN_NUMBER "2" at 415.468,353.695 h0.51; ASSEMBLY_TOP "NO-POP" at 415.163,353.695 h0.64; ASSEMBLY_TOP "TOLERANCE" at 415.163,351.155 h0.64; ASSEMBLY_TOP "USERPART#" at 415.163,349.885 h0.64; SYMBOL_PART_DIM "PAD 35X32 OV" at 412.039,348.92 h0.64; SYMBOL_PART_DIM "C402-35X32" at 412.039,350.19 h0.64; SYMBOL_PART_DIM "0" at 414.96,351.561 h0.64; SYMBOL_PART_DIM "0" at 412.826,353.365 h0.64
R288: PIN_NUMBER "1" at 410.769,359.41 h0.51; PIN_NUMBER "2" at 411.785,359.41 h0.51; ASSEMBLY_TOP "NO-POP" at 411.48,359.41 h0.64; ASSEMBLY_TOP "TOLERANCE" at 411.48,356.87 h0.64; ASSEMBLY_TOP "USERPART#" at 411.48,355.6 h0.64; SYMBOL_PART_DIM "PAD 35X32 OV" at 408.356,354.635 h0.64; SYMBOL_PART_DIM "C402-35X32" at 408.356,355.905 h0.64; SYMBOL_PART_DIM "0" at 411.277,357.276 h0.64; SYMBOL_PART_DIM "0" at 409.143,359.08 h0.64
R289: PIN_NUMBER "2" at 387.655,356.235 h0.51; PIN_NUMBER "1" at 386.639,356.235 h0.51; ASSEMBLY_TOP "1K" at 387.35,356.235 h0.64; ASSEMBLY_TOP "TOLERANCE" at 387.35,353.695 h0.64; ASSEMBLY_TOP "USERPART#" at 387.35,352.425 h0.64; SYMBOL_PART_DIM "PAD 35X32 OV" at 384.226,351.46 h0.64; SYMBOL_PART_DIM "C402-35X32" at 384.226,352.73 h0.64; SYMBOL_PART_DIM "0" at 387.147,354.101 h0.64; SYMBOL_PART_DIM "0" at 385.013,355.905 h0.64
R290: PIN_NUMBER "1" at 401.676,345.313 h1.02; PIN_NUMBER "2" at 400.152,345.313 h1.02; SYMB_DIM "0" at 405.003,344.805 h1.02; SYMB_DIM "0" at 401.828,341.757 h1.02; SYMB_DIM "R603-35X45" at 406.654,350.139 h1.02; SYMB_DIM "SP  35X45OV" at 396.621,343.916 h1.02; SYMB_DIM "SM  43X53OV" at 396.621,345.694 h1.02; SYMB_DIM "PAD 35X45OV" at 396.621,347.218 h1.02; ASSEMBLY_BOTTOM "X" at 400.304,344.932 h1.02; ASSEMBLY_BOTTOM "X" at 401.193,344.932 h1.02; ASSEMBLY_BOTTOM "100" at 401.955,344.932 h1.02
R291: PIN_NUMBER "1" at 390.449,344.17 h0.51 r180; PIN_NUMBER "2" at 391.465,344.17 h0.51 r180; ASSEMBLY_BOTTOM "1K" at 391.16,344.17 h0.64 r180; ASSEMBLY_BOTTOM "TOLERANCE" at 391.16,346.71 h0.64 r180; ASSEMBLY_BOTTOM "USERPART#" at 391.16,347.98 h0.64 r180; SYMBOL_PART_DIM "PAD 35X32 OV" at 388.036,348.945 h0.64 r180; SYMBOL_PART_DIM "C402-35X32" at 388.036,347.675 h0.64 r180; SYMBOL_PART_DIM "0" at 390.957,346.304 h0.64 r180; SYMBOL_PART_DIM "0" at 388.823,344.5 h0.64 r180
R292: PIN_NUMBER "2" at 396.037,343.408 h0.51 r270; PIN_NUMBER "1" at 396.037,342.392 h0.51 r270; ASSEMBLY_BOTTOM "10K" at 396.24,342.9 h0.64 r270; ASSEMBLY_BOTTOM "TOLERANCE" at 393.7,342.9 h0.64 r270; ASSEMBLY_BOTTOM "USERPART#" at 392.43,342.9 h0.64 r270; SYMBOL_PART_DIM "PAD 35X32 OV" at 391.465,339.776 h0.64 r270; SYMBOL_PART_DIM "C402-35X32" at 392.735,339.776 h0.64 r270; SYMBOL_PART_DIM "0" at 394.106,342.697 h0.64 r270; SYMBOL_PART_DIM "0" at 395.91,340.563 h0.64 r270
R293: PIN_NUMBER "1" at 404.292,337.312 h0.51 r270; PIN_NUMBER "2" at 404.292,338.328 h0.51 r270; ASSEMBLY_BOTTOM "1K" at 404.495,337.82 h0.64 r270; ASSEMBLY_BOTTOM "TOLERANCE" at 401.955,337.82 h0.64 r270; ASSEMBLY_BOTTOM "USERPART#" at 400.685,337.82 h0.64 r270; SYMBOL_PART_DIM "PAD 35X32 OV" at 399.72,334.696 h0.64 r270; SYMBOL_PART_DIM "C402-35X32" at 400.99,334.696 h0.64 r270; SYMBOL_PART_DIM "0" at 402.361,337.617 h0.64 r270; SYMBOL_PART_DIM "0" at 404.165,335.483 h0.64 r270
R294: PIN_NUMBER "1" at 395.402,364.998 h0.51 r90; PIN_NUMBER "2" at 395.402,363.982 h0.51 r90; ASSEMBLY_BOTTOM "NO-POP" at 395.605,364.49 h0.64 r90; ASSEMBLY_BOTTOM "TOLERANCE" at 398.145,364.49 h0.64 r90; ASSEMBLY_BOTTOM "USERPART#" at 399.415,364.49 h0.64 r90; SYMBOL_PART_DIM "PAD 35X32 OV" at 400.38,367.614 h0.64 r90; SYMBOL_PART_DIM "C402-35X32" at 399.11,367.614 h0.64 r90; SYMBOL_PART_DIM "0" at 397.739,364.693 h0.64 r90; SYMBOL_PART_DIM "0" at 395.935,366.827 h0.64 r90
R295: PIN_NUMBER "1" at 396.672,370.078 h0.51 r90; PIN_NUMBER "2" at 396.672,369.062 h0.51 r90; ASSEMBLY_BOTTOM "NO-POP" at 396.875,369.57 h0.64 r90; ASSEMBLY_BOTTOM "TOLERANCE" at 399.415,369.57 h0.64 r90; ASSEMBLY_BOTTOM "USERPART#" at 400.685,369.57 h0.64 r90; SYMBOL_PART_DIM "PAD 35X32 OV" at 401.65,372.694 h0.64 r90; SYMBOL_PART_DIM "C402-35X32" at 400.38,372.694 h0.64 r90; SYMBOL_PART_DIM "0" at 399.009,369.773 h0.64 r90; SYMBOL_PART_DIM "0" at 397.205,371.907 h0.64 r90
R296: PIN_NUMBER "1" at 407.213,364.998 h0.51 r90; PIN_NUMBER "2" at 407.213,363.982 h0.51 r90; ASSEMBLY_BOTTOM "NO-POP" at 407.416,364.49 h0.64 r90; ASSEMBLY_BOTTOM "TOLERANCE" at 409.956,364.49 h0.64 r90; ASSEMBLY_BOTTOM "USERPART#" at 411.226,364.49 h0.64 r90; SYMBOL_PART_DIM "PAD 35X32 OV" at 412.191,367.614 h0.64 r90; SYMBOL_PART_DIM "C402-35X32" at 410.921,367.614 h0.64 r90; SYMBOL_PART_DIM "0" at 409.55,364.693 h0.64 r90; SYMBOL_PART_DIM "0" at 407.746,366.827 h0.64 r90
R297: PIN_NUMBER "1" at 405.943,364.998 h0.51 r90; PIN_NUMBER "2" at 405.943,363.982 h0.51 r90; ASSEMBLY_BOTTOM "NO-POP" at 406.146,364.49 h0.64 r90; ASSEMBLY_BOTTOM "TOLERANCE" at 408.686,364.49 h0.64 r90; ASSEMBLY_BOTTOM "USERPART#" at 409.956,364.49 h0.64 r90; SYMBOL_PART_DIM "PAD 35X32 OV" at 410.921,367.614 h0.64 r90; SYMBOL_PART_DIM "C402-35X32" at 409.651,367.614 h0.64 r90; SYMBOL_PART_DIM "0" at 408.28,364.693 h0.64 r90; SYMBOL_PART_DIM "0" at 406.476,366.827 h0.64 r90
R298: PIN_NUMBER "1" at 395.402,363.982 h0.51 r90; PIN_NUMBER "2" at 395.402,364.998 h0.51 r90; ASSEMBLY_TOP "NO-POP" at 395.605,364.49 h0.64 r90; ASSEMBLY_TOP "TOLERANCE" at 398.145,364.49 h0.64 r90; ASSEMBLY_TOP "USERPART#" at 399.415,364.49 h0.64 r90; SYMBOL_PART_DIM "PAD 35X32 OV" at 400.38,361.366 h0.64 r90; SYMBOL_PART_DIM "C402-35X32" at 399.11,361.366 h0.64 r90; SYMBOL_PART_DIM "0" at 397.739,364.287 h0.64 r90; SYMBOL_PART_DIM "0" at 395.935,362.153 h0.64 r90
R299: PIN_NUMBER "1" at 396.672,363.982 h0.51 r90; PIN_NUMBER "2" at 396.672,364.998 h0.51 r90; ASSEMBLY_TOP "NO-POP" at 396.875,364.49 h0.64 r90; ASSEMBLY_TOP "TOLERANCE" at 399.415,364.49 h0.64 r90; ASSEMBLY_TOP "USERPART#" at 400.685,364.49 h0.64 r90; SYMBOL_PART_DIM "PAD 35X32 OV" at 401.65,361.366 h0.64 r90; SYMBOL_PART_DIM "C402-35X32" at 400.38,361.366 h0.64 r90; SYMBOL_PART_DIM "0" at 399.009,364.287 h0.64 r90; SYMBOL_PART_DIM "0" at 397.205,362.153 h0.64 r90
R300: PIN_NUMBER "1" at 407.213,363.982 h0.51 r90; PIN_NUMBER "2" at 407.213,364.998 h0.51 r90; ASSEMBLY_TOP "NO-POP" at 407.416,364.49 h0.64 r90; ASSEMBLY_TOP "TOLERANCE" at 409.956,364.49 h0.64 r90; ASSEMBLY_TOP "USERPART#" at 411.226,364.49 h0.64 r90; SYMBOL_PART_DIM "PAD 35X32 OV" at 412.191,361.366 h0.64 r90; SYMBOL_PART_DIM "C402-35X32" at 410.921,361.366 h0.64 r90; SYMBOL_PART_DIM "0" at 409.55,364.287 h0.64 r90; SYMBOL_PART_DIM "0" at 407.746,362.153 h0.64 r90
R301: PIN_NUMBER "1" at 405.943,363.982 h0.51 r90; PIN_NUMBER "2" at 405.943,364.998 h0.51 r90; ASSEMBLY_TOP "NO-POP" at 406.146,364.49 h0.64 r90; ASSEMBLY_TOP "TOLERANCE" at 408.686,364.49 h0.64 r90; ASSEMBLY_TOP "USERPART#" at 409.956,364.49 h0.64 r90; SYMBOL_PART_DIM "PAD 35X32 OV" at 410.921,361.366 h0.64 r90; SYMBOL_PART_DIM "C402-35X32" at 409.651,361.366 h0.64 r90; SYMBOL_PART_DIM "0" at 408.28,364.287 h0.64 r90; SYMBOL_PART_DIM "0" at 406.476,362.153 h0.64 r90
R302: PIN_NUMBER "1" at 405.562,337.312 h0.51 r270; PIN_NUMBER "2" at 405.562,338.328 h0.51 r270; ASSEMBLY_BOTTOM "1K" at 405.765,337.82 h0.64 r270; ASSEMBLY_BOTTOM "TOLERANCE" at 403.225,337.82 h0.64 r270; ASSEMBLY_BOTTOM "USERPART#" at 401.955,337.82 h0.64 r270; SYMBOL_PART_DIM "PAD 35X32 OV" at 400.99,334.696 h0.64 r270; SYMBOL_PART_DIM "C402-35X32" at 402.26,334.696 h0.64 r270; SYMBOL_PART_DIM "0" at 403.631,337.617 h0.64 r270; SYMBOL_PART_DIM "0" at 405.435,335.483 h0.64 r270
R303: PIN_NUMBER "1" at 406.832,337.312 h0.51 r270; PIN_NUMBER "2" at 406.832,338.328 h0.51 r270; ASSEMBLY_BOTTOM "1K" at 407.035,337.82 h0.64 r270; ASSEMBLY_BOTTOM "TOLERANCE" at 404.495,337.82 h0.64 r270; ASSEMBLY_BOTTOM "USERPART#" at 403.225,337.82 h0.64 r270; SYMBOL_PART_DIM "PAD 35X32 OV" at 402.26,334.696 h0.64 r270; SYMBOL_PART_DIM "C402-35X32" at 403.53,334.696 h0.64 r270; SYMBOL_PART_DIM "0" at 404.901,337.617 h0.64 r270; SYMBOL_PART_DIM "0" at 406.705,335.483 h0.64 r270
R304: PIN_NUMBER "1" at 415.519,371.602 h1.02 r270; PIN_NUMBER "2" at 415.519,370.078 h1.02 r270; ASSEMBLY_TOP "X" at 415.544,369.824 h1.02 r270; ASSEMBLY_TOP "X" at 415.544,370.713 h1.02 r270; ASSEMBLY_TOP "49.9" at 415.544,371.475 h1.02 r270; SYMB_DIM "0" at 415.417,374.523 h1.02 r270; SYMB_DIM "0" at 412.369,371.348 h1.02 r270; SYMB_DIM "R603-35X45" at 420.751,376.174 h1.02 r270; SYMB_DIM "SP  35X45OV" at 414.528,366.141 h1.02 r270; SYMB_DIM "SM  43X53OV" at 416.306,366.141 h1.02 r270; SYMB_DIM "PAD 35X45OV" at 417.83,366.141 h1.02 r270
R305: PIN_NUMBER "1" at 417.424,371.602 h1.02 r270; PIN_NUMBER "2" at 417.424,370.078 h1.02 r270; ASSEMBLY_TOP "X" at 417.449,369.824 h1.02 r270; ASSEMBLY_TOP "X" at 417.449,370.713 h1.02 r270; ASSEMBLY_TOP "49.9" at 417.449,371.475 h1.02 r270; SYMB_DIM "0" at 417.322,374.523 h1.02 r270; SYMB_DIM "0" at 414.274,371.348 h1.02 r270; SYMB_DIM "R603-35X45" at 422.656,376.174 h1.02 r270; SYMB_DIM "SP  35X45OV" at 416.433,366.141 h1.02 r270; SYMB_DIM "SM  43X53OV" at 418.211,366.141 h1.02 r270; SYMB_DIM "PAD 35X45OV" at 419.735,366.141 h1.02 r270
R306: PIN_NUMBER "2" at 413.614,371.602 h1.02 r90; PIN_NUMBER "1" at 413.614,370.078 h1.02 r90; ASSEMBLY_TOP "X" at 414.401,371.856 h1.02 r90; ASSEMBLY_TOP "X" at 414.401,370.967 h1.02 r90; ASSEMBLY_TOP "49.9" at 414.401,370.205 h1.02 r90; SYMB_DIM "0" at 414.528,367.157 h1.02 r90; SYMB_DIM "0" at 417.576,370.332 h1.02 r90; SYMB_DIM "R603-35X45" at 409.194,365.506 h1.02 r90; SYMB_DIM "SP  35X45OV" at 415.417,375.539 h1.02 r90; SYMB_DIM "SM  43X53OV" at 413.639,375.539 h1.02 r90; SYMB_DIM "PAD 35X45OV" at 412.115,375.539 h1.02 r90
R307: PIN_NUMBER "2" at 410.439,371.602 h1.02 r90; PIN_NUMBER "1" at 410.439,370.078 h1.02 r90; ASSEMBLY_TOP "X" at 411.226,371.856 h1.02 r90; ASSEMBLY_TOP "X" at 411.226,370.967 h1.02 r90; ASSEMBLY_TOP "49.9" at 411.226,370.205 h1.02 r90; SYMB_DIM "0" at 411.353,367.157 h1.02 r90; SYMB_DIM "0" at 414.401,370.332 h1.02 r90; SYMB_DIM "R603-35X45" at 406.019,365.506 h1.02 r90; SYMB_DIM "SP  35X45OV" at 412.242,375.539 h1.02 r90; SYMB_DIM "SM  43X53OV" at 410.464,375.539 h1.02 r90; SYMB_DIM "PAD 35X45OV" at 408.94,375.539 h1.02 r90
R308: PIN_NUMBER "1" at 391.389,371.602 h1.02 r270; PIN_NUMBER "2" at 391.389,370.078 h1.02 r270; ASSEMBLY_TOP "X" at 391.414,369.824 h1.02 r270; ASSEMBLY_TOP "X" at 391.414,370.713 h1.02 r270; ASSEMBLY_TOP "49.9" at 391.414,371.475 h1.02 r270; SYMB_DIM "0" at 391.287,374.523 h1.02 r270; SYMB_DIM "0" at 388.239,371.348 h1.02 r270; SYMB_DIM "R603-35X45" at 396.621,376.174 h1.02 r270; SYMB_DIM "SP  35X45OV" at 390.398,366.141 h1.02 r270; SYMB_DIM "SM  43X53OV" at 392.176,366.141 h1.02 r270; SYMB_DIM "PAD 35X45OV" at 393.7,366.141 h1.02 r270
R309: PIN_NUMBER "1" at 393.294,371.602 h1.02 r270; PIN_NUMBER "2" at 393.294,370.078 h1.02 r270; ASSEMBLY_TOP "X" at 393.319,369.824 h1.02 r270; ASSEMBLY_TOP "X" at 393.319,370.713 h1.02 r270; ASSEMBLY_TOP "49.9" at 393.319,371.475 h1.02 r270; SYMB_DIM "0" at 393.192,374.523 h1.02 r270; SYMB_DIM "0" at 390.144,371.348 h1.02 r270; SYMB_DIM "R603-35X45" at 398.526,376.174 h1.02 r270; SYMB_DIM "SP  35X45OV" at 392.303,366.141 h1.02 r270; SYMB_DIM "SM  43X53OV" at 394.081,366.141 h1.02 r270; SYMB_DIM "PAD 35X45OV" at 395.605,366.141 h1.02 r270
R310: PIN_NUMBER "2" at 389.484,371.602 h1.02 r90; PIN_NUMBER "1" at 389.484,370.078 h1.02 r90; ASSEMBLY_TOP "X" at 390.271,371.856 h1.02 r90; ASSEMBLY_TOP "X" at 390.271,370.967 h1.02 r90; ASSEMBLY_TOP "49.9" at 390.271,370.205 h1.02 r90; SYMB_DIM "0" at 390.398,367.157 h1.02 r90; SYMB_DIM "0" at 393.446,370.332 h1.02 r90; SYMB_DIM "R603-35X45" at 385.064,365.506 h1.02 r90; SYMB_DIM "SP  35X45OV" at 391.287,375.539 h1.02 r90; SYMB_DIM "SM  43X53OV" at 389.509,375.539 h1.02 r90; SYMB_DIM "PAD 35X45OV" at 387.985,375.539 h1.02 r90
R311: PIN_NUMBER "2" at 386.309,371.602 h1.02 r90; PIN_NUMBER "1" at 386.309,370.078 h1.02 r90; ASSEMBLY_TOP "X" at 387.096,371.856 h1.02 r90; ASSEMBLY_TOP "X" at 387.096,370.967 h1.02 r90; ASSEMBLY_TOP "49.9" at 387.096,370.205 h1.02 r90; SYMB_DIM "0" at 387.223,367.157 h1.02 r90; SYMB_DIM "0" at 390.271,370.332 h1.02 r90; SYMB_DIM "R603-35X45" at 381.889,365.506 h1.02 r90; SYMB_DIM "SP  35X45OV" at 388.112,375.539 h1.02 r90; SYMB_DIM "SM  43X53OV" at 386.334,375.539 h1.02 r90; SYMB_DIM "PAD 35X45OV" at 384.81,375.539 h1.02 r90
R312: PIN_NUMBER "2" at 385.077,322.58 h0.76 r180; PIN_NUMBER "1" at 391.554,322.58 h0.76 r180; SYMB_DIM "R2512-65x125" at 392.582,314.655 h0.91 r180; SYMB_DIM "65X125REC" at 391.922,329.616 h0.91 r180
R313: PIN_NUMBER "2" at 451.498,327.533 h0.76; PIN_NUMBER "1" at 445.021,327.533 h0.76; SYMB_DIM "R2512-65x125" at 444.602,335.458 h0.91; SYMB_DIM "65X125REC" at 445.262,320.497 h0.91
R314: PIN_NUMBER "1" at 429.438,338.125 h0.51; PIN_NUMBER "2" at 430.454,338.125 h0.51; ASSEMBLY_TOP "NO-POP" at 430.149,338.125 h0.64; ASSEMBLY_TOP "TOLERANCE" at 430.149,335.585 h0.64; ASSEMBLY_TOP "USERPART#" at 430.149,334.315 h0.64; SYMBOL_PART_DIM "PAD 35X32 OV" at 427.025,333.35 h0.64; SYMBOL_PART_DIM "C402-35X32" at 427.025,334.62 h0.64; SYMBOL_PART_DIM "0" at 429.946,335.991 h0.64; SYMBOL_PART_DIM "0" at 427.812,337.795 h0.64
R315: PIN_NUMBER "1" at 430.454,337.693 h0.51; PIN_NUMBER "2" at 429.438,337.693 h0.51; ASSEMBLY_BOTTOM "1K" at 430.149,337.693 h0.64; ASSEMBLY_BOTTOM "TOLERANCE" at 430.149,335.153 h0.64; ASSEMBLY_BOTTOM "USERPART#" at 430.149,333.883 h0.64; SYMBOL_PART_DIM "PAD 35X32 OV" at 433.273,332.918 h0.64; SYMBOL_PART_DIM "C402-35X32" at 433.273,334.188 h0.64; SYMBOL_PART_DIM "0" at 430.352,335.559 h0.64; SYMBOL_PART_DIM "0" at 432.486,337.363 h0.64
R316: PIN_NUMBER "2" at 385.077,318.135 h0.76 r180; PIN_NUMBER "1" at 391.554,318.135 h0.76 r180; SYMB_DIM "R2512-65x125" at 392.582,310.21 h0.91 r180; SYMB_DIM "65X125REC" at 391.922,325.171 h0.91 r180
R317: PIN_NUMBER "1" at 429.438,333.883 h0.51; PIN_NUMBER "2" at 430.454,333.883 h0.51; ASSEMBLY_TOP "0" at 430.149,333.883 h0.64; ASSEMBLY_TOP "TOLERANCE" at 430.149,331.343 h0.64; ASSEMBLY_TOP "USERPART#" at 430.149,330.073 h0.64; SYMBOL_PART_DIM "PAD 35X32 OV" at 427.025,329.108 h0.64; SYMBOL_PART_DIM "C402-35X32" at 427.025,330.378 h0.64; SYMBOL_PART_DIM "0" at 429.946,331.749 h0.64; SYMBOL_PART_DIM "0" at 427.812,333.553 h0.64
R318: PIN_NUMBER "1" at 385.077,327.025 h0.76; PIN_NUMBER "2" at 391.554,327.025 h0.76; SYMB_DIM "R2512-65x125" at 384.658,334.95 h0.91; SYMB_DIM "65X125REC" at 385.318,319.989 h0.91
R319: PIN_NUMBER "1" at 429.438,332.613 h0.51; PIN_NUMBER "2" at 430.454,332.613 h0.51; ASSEMBLY_TOP "1K" at 430.149,332.613 h0.64; ASSEMBLY_TOP "TOLERANCE" at 430.149,330.073 h0.64; ASSEMBLY_TOP "USERPART#" at 430.149,328.803 h0.64; SYMBOL_PART_DIM "PAD 35X32 OV" at 427.025,327.838 h0.64; SYMBOL_PART_DIM "C402-35X32" at 427.025,329.108 h0.64; SYMBOL_PART_DIM "0" at 429.946,330.479 h0.64; SYMBOL_PART_DIM "0" at 427.812,332.283 h0.64